# Altium PCB DL-5新款球锁 - 拼板-20201231.PcbDoc (part 9 of 9)
Units mm, origin at the board's own origin, x right, y up, seen from the top; angles counter-clockwise.
Board outline 55.99 x 50 mm, 4 copper layers (Top Layer, POWER, GND, Bottom Layer); 388 components, 70 nets, 1224 pads, 536 vias.
Unrouted connection lines stored in the file: 276.
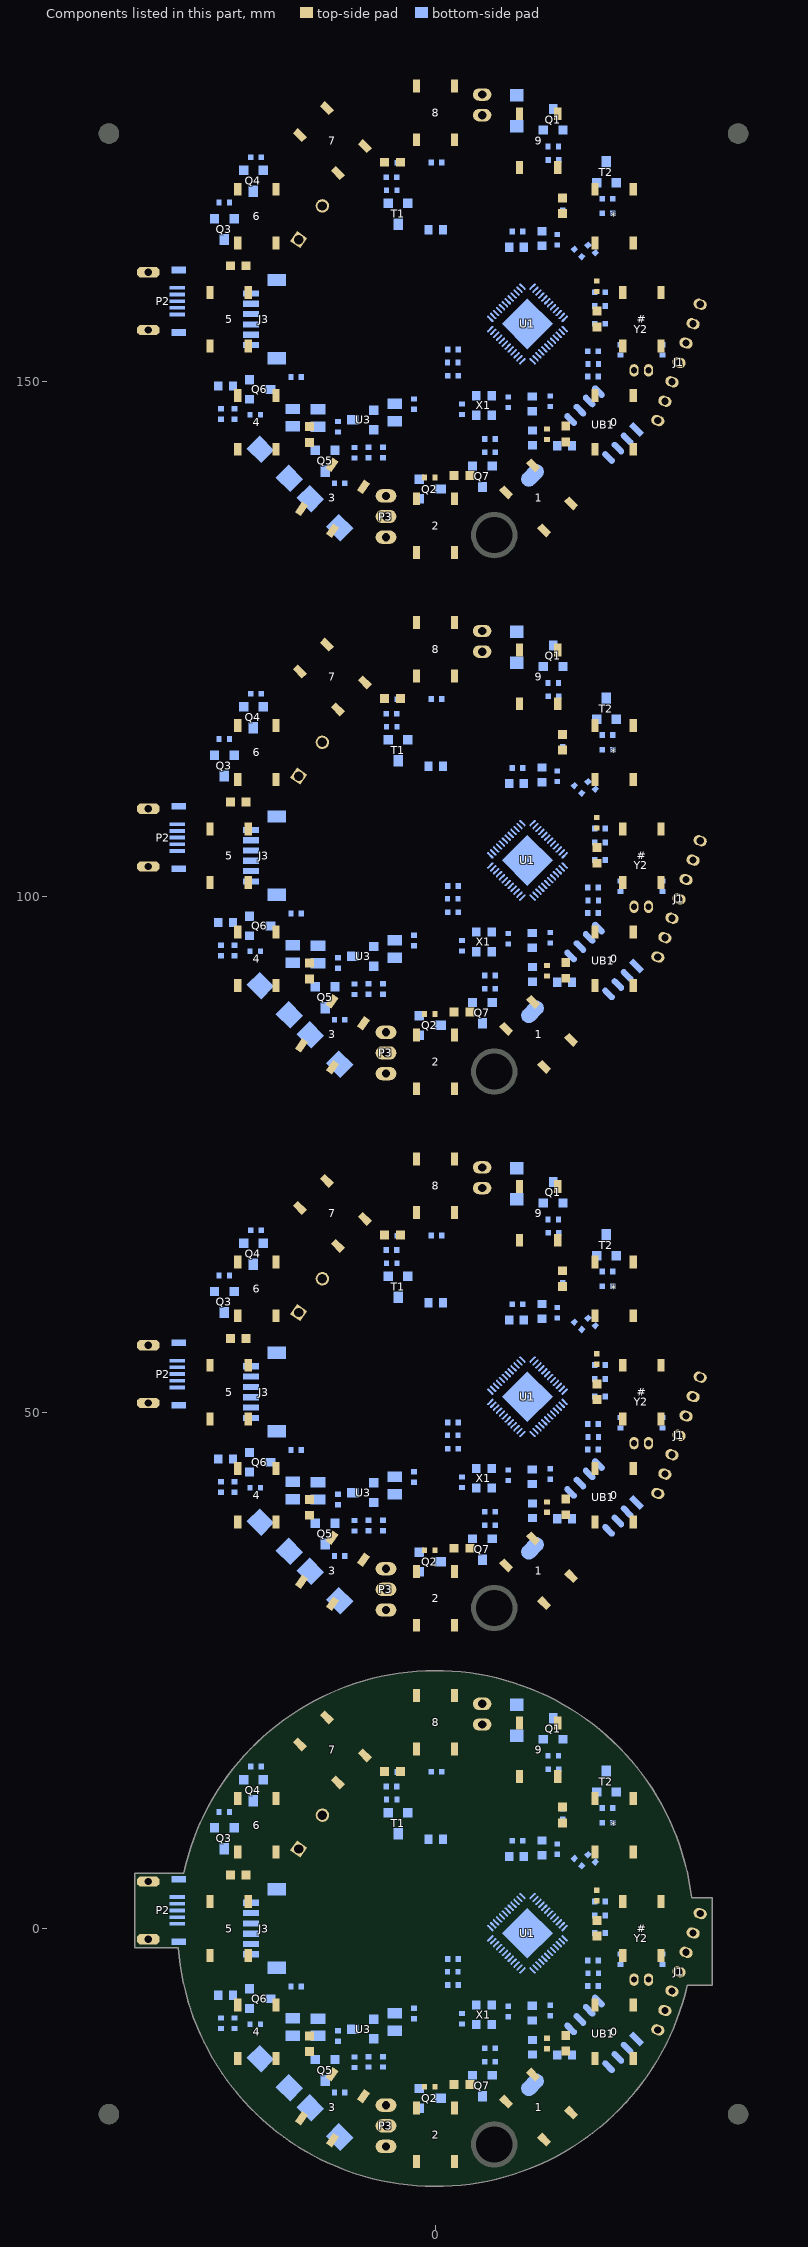
[diagram p11: the components of this part, seen from the top]

## Other copper (continued)
POWER (plane layer: these items are gaps in the copper):
  lines w0.5: -23.957,-7.29 -19.156,-7.29 -16.972,-5.105 -16.972,1.549 -15.016,1.549 -12.019,-1.448 -12.019,-8.992 -11.536,-9.474 -0.004,-9.474 2.256,-7.214 2.256,5.157 2.256,5.436 -3.687,11.379 -3.687,16.535 -3.687,22.628 ; -23.957,44.71 -19.156,44.71 -16.972,46.895 -16.972,53.549 -15.016,53.549 -12.019,50.552 -12.019,43.008 -11.536,42.526 -0.004,42.526 2.256,44.786 2.256,57.157 2.256,57.436 -3.687,63.379 -3.687,68.535 -3.687,74.628 ; -23.957,96.71 -19.156,96.71 -16.972,98.895 -16.972,105.549 -15.016,105.549 -12.019,102.552 -12.019,95.008 -11.536,94.526 -0.004,94.526 2.256,96.786 2.256,109.157 2.256,109.436 -3.687,115.379 -3.687,120.535 -3.687,126.628 ; -23.957,148.71 -19.156,148.71 -16.972,150.895 -16.972,157.549 -15.016,157.549 -12.019,154.552 -12.019,147.008 -11.536,146.526 -0.004,146.526 2.256,148.786 2.256,161.157 2.256,161.436 -3.687,167.379 -3.687,172.535 -3.687,178.628 ; -20.045,-15.164 -20.045,-14.554 -16.413,-10.922 -8.818,-10.922 -6.431,-13.31 ; -20.045,36.836 -20.045,37.446 -16.413,41.078 -8.818,41.078 -6.431,38.69 ; -20.045,88.836 -20.045,89.446 -16.413,93.078 -8.818,93.078 -6.431,90.69 ; -20.045,140.836 -20.045,141.446 -16.413,145.078 -8.818,145.078 -6.431,142.69 ; -13.898,-20.904 -13.898,-20.879 -6.38,-13.36 ; -13.898,31.096 -13.898,31.121 -6.38,38.64 ; -13.898,83.096 -13.898,83.121 -6.38,90.64 ; -13.898,135.096 -13.898,135.121 -6.38,142.64 ; -3.687,22.682 5.279,22.682 9.368,18.593 10.791,18.593 14.016,15.367 14.016,8.28 13.28,7.544 9.013,7.544 8.098,7.544 7.997,7.645 ; -3.687,74.682 5.279,74.682 9.368,70.593 10.791,70.593 14.016,67.367 14.016,60.28 13.28,59.544 9.013,59.544 8.098,59.544 7.997,59.645 ; -3.687,126.682 5.279,126.682 9.368,122.593 10.791,122.593 14.016,119.367 14.016,112.28 13.28,111.544 9.013,111.544 8.098,111.544 7.997,111.645 ; -3.687,178.682 5.279,178.682 9.368,174.593 10.791,174.593 14.016,171.367 14.016,164.28 13.28,163.544 9.013,163.544 8.098,163.544 7.997,163.645 ; -3.256,-25.019 -3.052,-24.816 -2.824,-24.587 -2.824,-16.231 ; -3.256,26.981 -3.052,27.184 -2.824,27.413 -2.824,35.769 ; -3.256,78.981 -3.052,79.184 -2.824,79.413 -2.824,87.769 ; -3.256,130.981 -3.052,131.184 -2.824,131.413 -2.824,139.769 ; -2.824,-16.256 -2.824,-16.231 ; -2.824,35.744 -2.824,35.769 ; -2.824,87.744 -2.824,87.769 ; -2.824,139.744 -2.824,139.769 ; -2.748,-19.279 3.069,-19.279 7.487,-14.861 7.487,-7.874 9.622,-7.874 12.111,-7.874 12.264,-7.874 14.88,-5.258 14.88,4.724 14.88,5.512 7.031,5.512 6.422,4.902 ; -2.748,32.721 3.069,32.721 7.487,37.139 7.487,44.126 9.622,44.126 12.111,44.126 12.264,44.126 14.88,46.742 14.88,56.724 14.88,57.512 7.031,57.512 6.422,56.902 ; -2.748,84.721 3.069,84.721 7.487,89.139 7.487,96.126 9.622,96.126 12.111,96.126 12.264,96.126 14.88,98.742 14.88,108.724 14.88,109.512 7.031,109.512 6.422,108.902 ; -2.748,136.721 3.069,136.721 7.487,141.139 7.487,148.126 9.622,148.126 12.111,148.126 12.264,148.126 14.88,150.742 14.88,160.724 14.88,161.512 7.031,161.512 6.422,160.902 ; 1.621,12.548 1.621,11.963 ; 1.621,64.548 1.621,63.963 ; 1.621,116.548 1.621,115.963 ; 1.621,168.548 1.621,167.963 ; 6.422,4.623 6.422,4.902 ; 6.422,56.623 6.422,56.902 ; 6.422,108.623 6.422,108.902 ; 6.422,160.623 6.422,160.902 ; 7.235,-7.874 6.422,-7.061 6.422,3.429 6.422,4.902 ; 7.235,44.126 6.422,44.939 6.422,55.429 6.422,56.902 ; 7.235,96.126 6.422,96.939 6.422,107.429 6.422,108.902 ; 7.235,148.126 6.422,148.939 6.422,159.429 6.422,160.902 ; 7.946,5.512 7.946,14.783 6.854,15.875 3.348,15.875 1.621,14.148 1.621,11.963 ; 7.946,57.512 7.946,66.783 6.854,67.875 3.348,67.875 1.621,66.148 1.621,63.963 ; 7.946,109.512 7.946,118.783 6.854,119.875 3.348,119.875 1.621,118.148 1.621,115.963 ; 7.946,161.512 7.946,170.783 6.854,171.875 3.348,171.875 1.621,170.148 1.621,167.963 ; -2.824,-16.231 4.466,-8.941 4.466,5.283 4.466,7.036 5.38,7.95 5.38,9.804 3.907,11.278 2.307,11.278 1.621,11.963 ; -2.824,35.769 4.466,43.059 4.466,57.283 4.466,59.036 5.38,59.95 5.38,61.804 3.907,63.278 2.307,63.278 1.621,63.963 ; -2.824,87.769 4.466,95.059 4.466,109.283 4.466,111.036 5.38,111.95 5.38,113.804 3.907,115.278 2.307,115.278 1.621,115.963 ; -2.824,139.769 4.466,147.059 4.466,161.283 4.466,163.036 5.38,163.95 5.38,165.804 3.907,167.278 2.307,167.278 1.621,167.963

## Silkscreen, mask and mechanical layers (free items; w line width, h text height)
Top Overlay:
  circle w0.15: c-0.004,156.026 r13.5
  circle w0.15: c-0.004,156 r9.5
  circle w0.127: c-20.003,156 r1.5
  circle w0.127: c-17.324,146 r1.5
  circle w0.127: c-10.003,138.68 r1.5
  circle w0.127: c-0.003,136 r1.5
  circle w0.127: c9.997,138.68 r1.5
  circle w0.127: c17.317,146 r1.5
  circle w0.127: c19.997,156 r1.5
  circle w0.127: c17.317,166 r1.5
  circle w0.127: c9.997,173.321 r1.5
  circle w0.127: c-0.003,176 r1.5
  circle w0.127: c-10.003,173.321 r1.5
  circle w0.127: c-17.324,166 r1.5
  circle w0.15: c-0.004,104.026 r13.5
  circle w0.15: c-0.004,104 r9.5
  circle w0.127: c-20.003,104 r1.5
  circle w0.127: c-17.324,94 r1.5
  circle w0.127: c-10.003,86.68 r1.5
  circle w0.127: c-0.003,84 r1.5
  circle w0.127: c9.997,86.68 r1.5
  circle w0.127: c17.317,94 r1.5
  circle w0.127: c19.997,104 r1.5
  circle w0.127: c17.317,114 r1.5
  circle w0.127: c9.997,121.321 r1.5
  circle w0.127: c-0.003,124 r1.5
  circle w0.127: c-10.003,121.321 r1.5
  circle w0.127: c-17.324,114 r1.5
  circle w0.15: c-0.004,52.026 r13.5
  circle w0.15: c-0.004,52 r9.5
  circle w0.127: c-20.003,52 r1.5
  circle w0.127: c-17.324,42 r1.5
  circle w0.127: c-10.003,34.68 r1.5
  circle w0.127: c-0.003,32 r1.5
  circle w0.127: c9.997,34.68 r1.5
  circle w0.127: c17.317,42 r1.5
  circle w0.127: c19.997,52 r1.5
  circle w0.127: c17.317,62 r1.5
  circle w0.127: c9.997,69.321 r1.5
  circle w0.127: c-0.003,72 r1.5
  circle w0.127: c-10.003,69.321 r1.5
  circle w0.127: c-17.324,62 r1.5
  circle w0.15: c-0.004,0.026 r13.5
  circle w0.15: c-0.004,0 r9.5
  circle w0.127: c-20.003,0 r1.5
  circle w0.127: c-17.324,-10 r1.5
  circle w0.127: c-10.003,-17.32 r1.5
  circle w0.127: c-0.003,-20 r1.5
  circle w0.127: c9.997,-17.32 r1.5
  circle w0.127: c17.317,-10 r1.5
  circle w0.127: c19.997,0 r1.5
  circle w0.127: c17.317,10 r1.5
  circle w0.127: c9.997,17.321 r1.5
  circle w0.127: c-0.003,20 r1.5
  circle w0.127: c-10.003,17.321 r1.5
  circle w0.127: c-17.324,10 r1.5
  text "JYD_DL-5" at 1.164,155.39 h1.4
  text "2020-12-30" at 0.859,153.46 h1.5
  text "M3V3" at 25.599,151.377 h0.8 r70
  text "JYD_DL-5" at 1.164,103.39 h1.4
  text "2020-12-30" at 0.859,101.46 h1.5
  text "M3V3" at 25.599,99.377 h0.8 r70
  text "JYD_DL-5" at 1.164,51.39 h1.4
  text "2020-12-30" at 0.859,49.46 h1.5
  text "M3V3" at 25.599,47.377 h0.8 r70
  text "JYD_DL-5" at 1.164,-0.61 h1.4
  text "2020-12-30" at 0.859,-2.54 h1.5
  text "M3V3" at 25.599,-4.623 h0.8 r70
Bottom Overlay:
  lines w0.15: -17.505,17.856 -13.238,13.589 ; -17.505,69.856 -13.238,65.589 ; -17.505,121.856 -13.238,117.589 ; -17.505,173.856 -13.238,169.589 ; -13.235,13.586 cw(c0.021,-0.025) -0.712,18.96 ; -13.235,65.586 cw(c0.021,51.975) -0.712,70.96 ; -13.235,117.586 cw(c0.021,103.975) -0.712,122.96 ; -13.235,169.586 cw(c0.021,155.975) -0.712,174.96 ; -0.716,18.96 -0.716,25.019 ; -0.716,70.96 -0.716,77.019 ; -0.716,122.96 -0.716,129.019 ; -0.716,174.96 -0.716,181.019 ; 0.173,-25.044 0.173,-18.999 ccw(c-0.004,0) 13.732,-13.127 ; 0.173,26.956 0.173,33.001 ccw(c-0.004,52) 13.732,38.873 ; 0.173,78.956 0.173,85.001 ccw(c-0.004,104) 13.732,90.873 ; 0.173,130.956 0.173,137.001 ccw(c-0.004,156) 13.732,142.873 ; 13.559,-13.233 17.75,-17.424 ; 13.559,38.767 17.75,34.576 ; 13.559,90.767 17.75,86.576 ; 13.559,142.767 17.75,138.576